# Altium PCB Modified.PcbDoc (part 1 of 3) (continued)
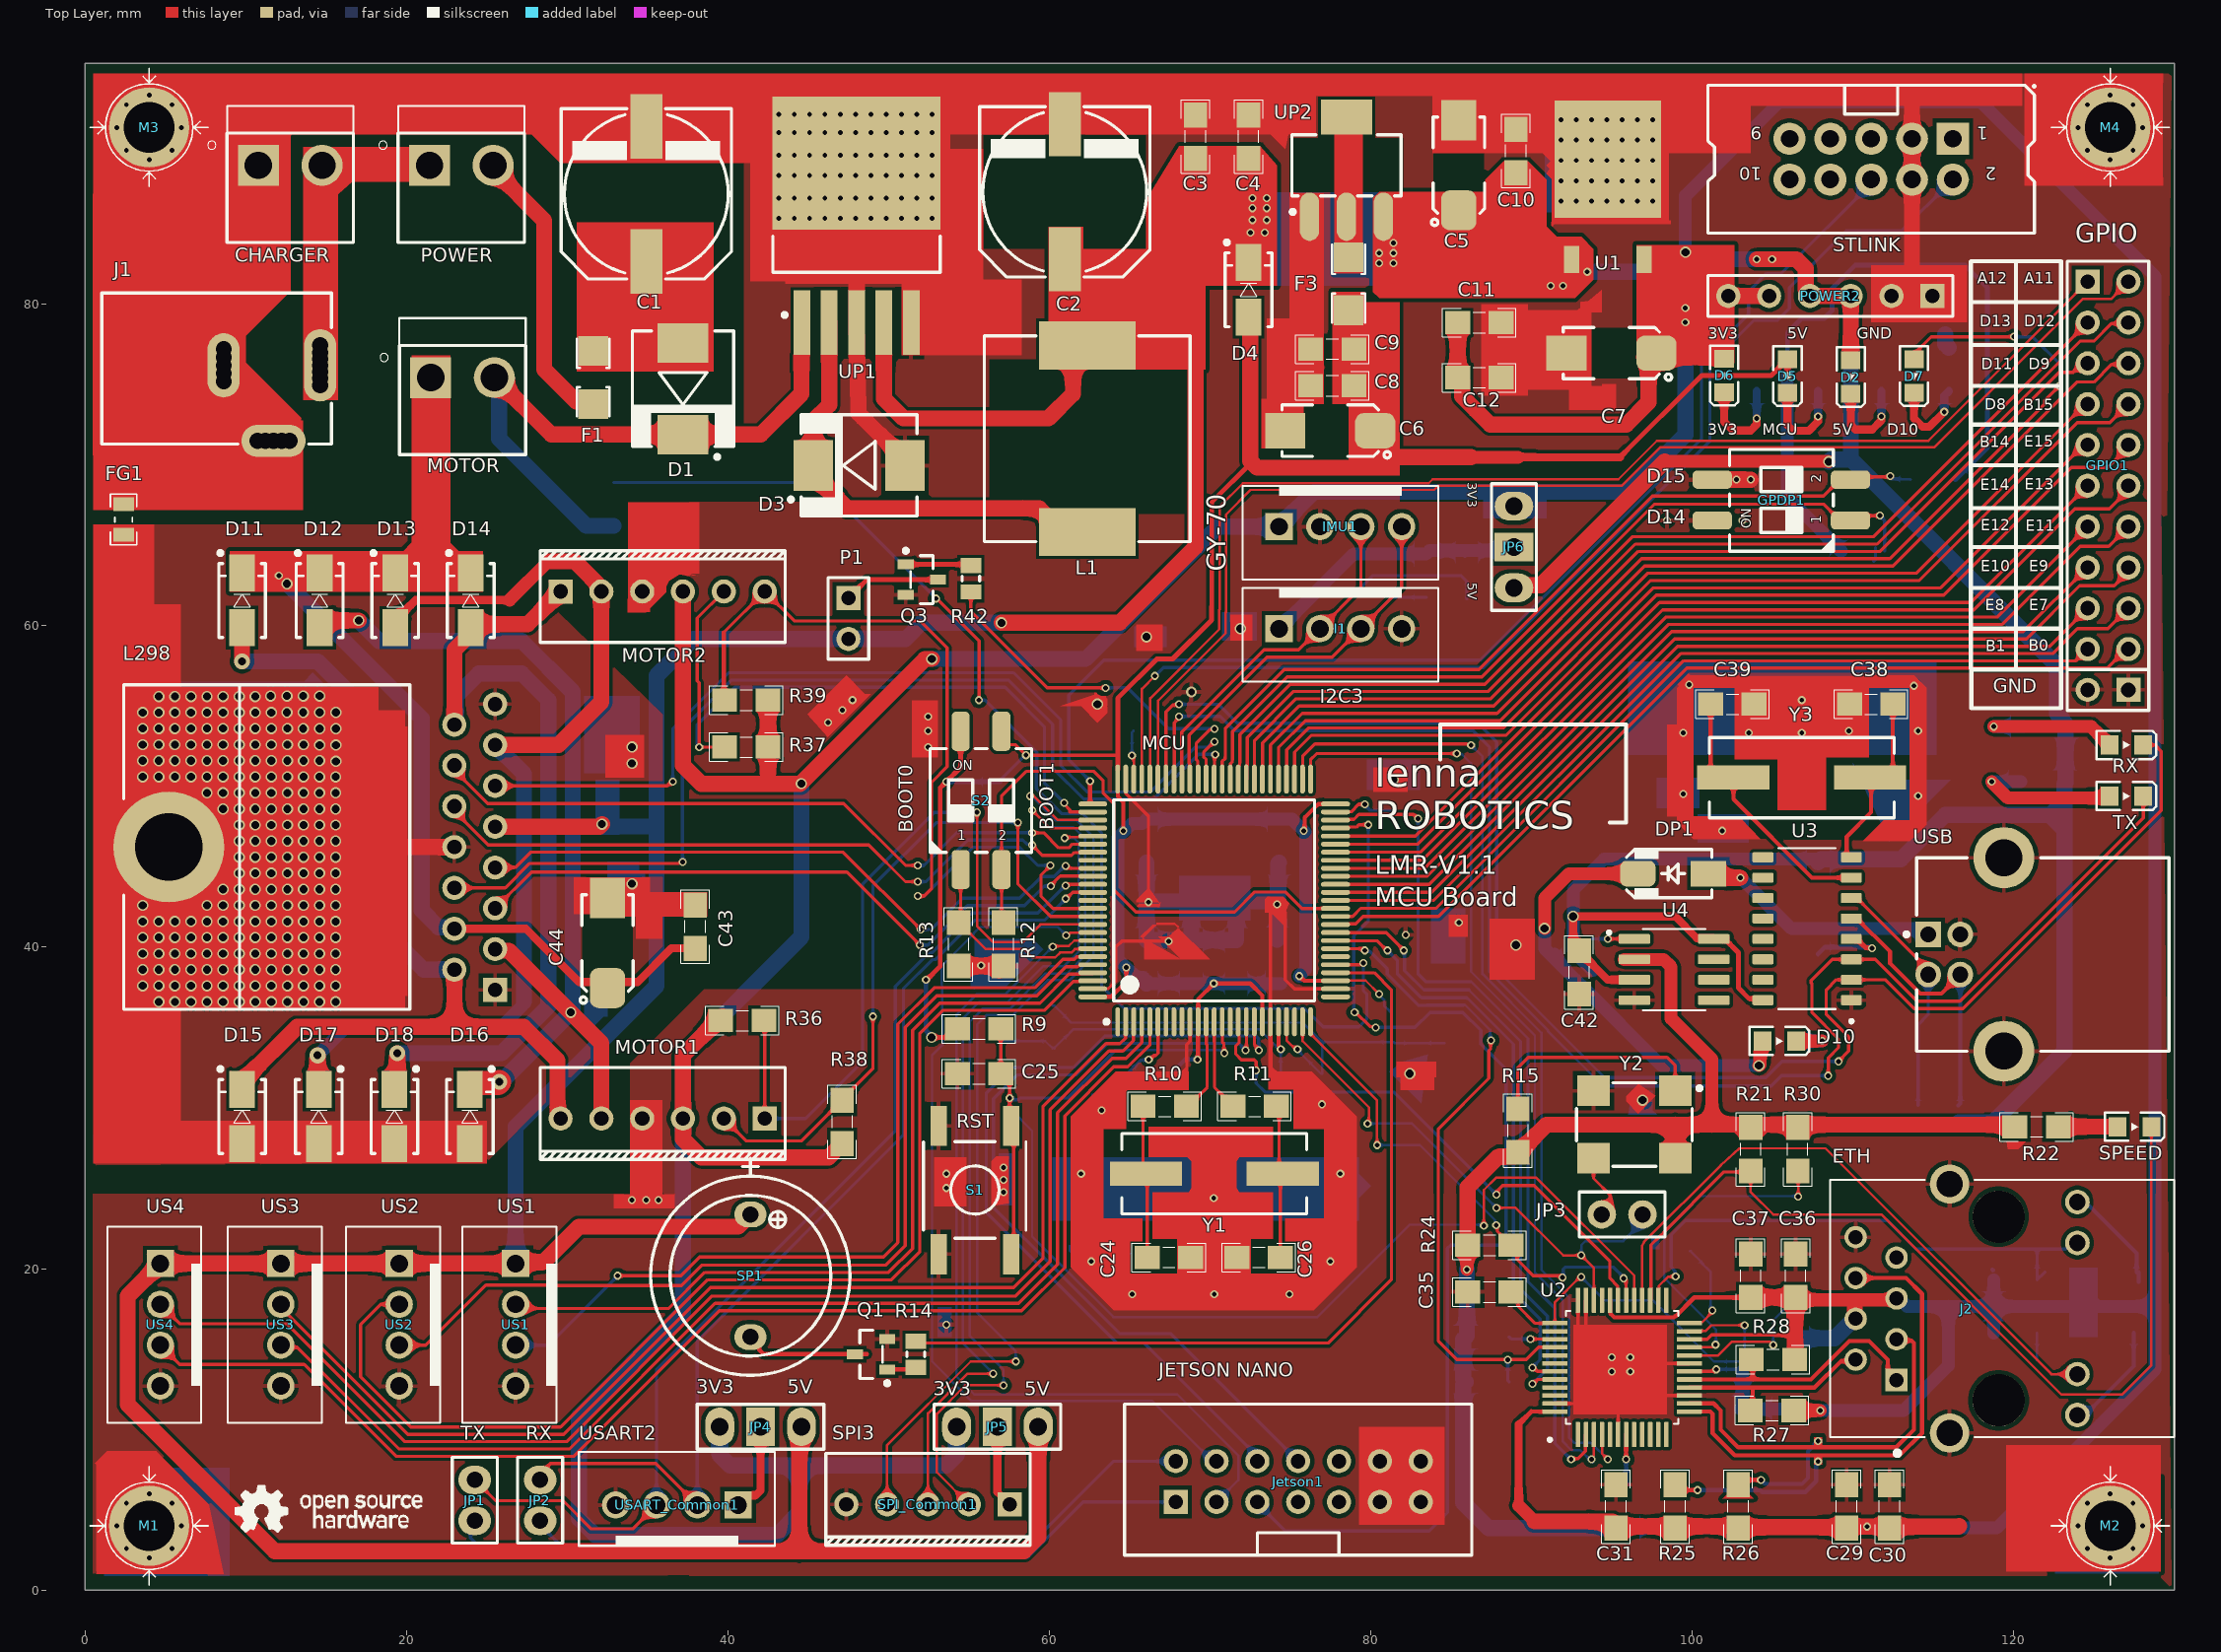
[diagram p0: Top Layer view]
## Components (designator, comment, footprint, x,y, rotation, side; value= is the part's Value field where it differs from the comment) (continued)
POWER "B2P-VH(LF)(SN)" JST_B2P-VH(LF)(SN) 23.42,88.646 r0 top
POWER2 "Header 6" HDR1X6 114.935,80.518 r180 top
Q1 "BC848B" SOT23_L 48.911,14.671 r180 top
Q2 "NTR4101P" SOT23 92.583,39.56 r270 bottom
Q3 "BC848B" SOT23_L 52.07,62.865 r0 top
R1 "1K" RESC3413X04N 111.76,75.946 r270 bottom
R2 "1K" RESC3413X04N 107.823,75.946 r270 bottom
R3 "1K" RESC3413X04N 104.013,75.946 r270 bottom
R4 "0" RESC3413X04N 65.951,31.917 r180 bottom
R5 "47" RESC3413X04N 60.325,35.052 r270 bottom
R6 "1K" RESC3413X04N 115.951,75.946 r270 bottom
R7 "1K" RESC3413X04N 110.617,64.643 r0 bottom
R8 "1K" RESC3413X04N 115.015,69.088 r180 bottom
R9 "1K" RESC3413X04N 55.626,34.925 r180 top
R10 "0" RESC3413X04N 67.183,30.099 r180 top
R11 "220R" RESC3413X04N 72.771,30.099 r0 top
R12 "10K" RESC3413X04N 57.15,40.179 r270 top
R13 "10K" RESC3413X04N 54.356,40.179 r270 top
R14 "10K" RES0805_(2012X06L) 51.689,15.493 r270 top
R15 "10K" RESC3413X04N 89.154,28.587 r270 top
R16 "2.2K" RESC3413X04N 87.249,12.954 r180 bottom
R17 "2.2K" RESC3413X04N 120.095,19.304 r180 bottom
R18 "2.2K" RESC3413X04N 96.012,5.219 r90 bottom
R19 "2.2K" RESC3413X04N 120.095,16.002 r180 bottom
R20 "4.87K" RESC3413X04N 98.505,21.082 r0 bottom
R21 "2.2K" RESC3413X04N 103.632,27.432 r90 top
R22 "220R" RESC3413X04N 121.412,28.829 r180 top
R23 "2.2K" RESC3413X04N 87.249,15.748 r180 bottom
R24 "1.5K" RESC3413X04N 87.376,21.463 r0 top
R25 "49.9R" RESC3413X04N 98.933,5.207 r270 top
R26 "49.9R" RESC3413X04N 102.849,5.207 r90 top
R27 "49.9R" RESC3413X04N 104.949,11.176 r0 top
R28 "49.9R" RESC3413X04N 105.017,14.351 r180 top
R29 "2.2K" RESC3413X04N 106.553,17.018 r90 bottom
R30 "2.2K" RESC3413X04N 106.553,27.432 r270 top
R31 "220R" RESC3413X04N 125.73,16.002 r0 bottom
R32 "220R" RESC3413X04N 125.73,19.304 r0 bottom
R33 "1K" RESC3413X04N 121.793,50.292 r180 bottom
R34 "1K" RESC3413X04N 121.92,53.721 r180 bottom
R35 "1K" RESC3413X04N 105.029,34.163 r0 bottom
R36 "2.2K" RESC3413X04N 40.894,35.433 r0 top
R37 "2.2K" RESC3413X04N 41.148,52.451 r180 top
R38 "2.2K" RESC3413X04N 47.117,29.13 r90 top
R39 "2.2K" RESC3413X04N 41.148,55.372 r180 top
R40 "4.7K" RESC3413X04N 85.979,63.119 r90 bottom
R41 "4.7K" RESC3413X04N 83.439,63.119 r90 bottom
R42 "10K" RES0805_(2012X06L) 55.118,62.104 r90 top
R43 "33K" RESC3413X04N 32.893,67.564 r90 bottom
R44 "10K" RESC3413X04N 36.322,67.564 r270 bottom
RX "LED SMD PACKAGE" LED_SMD_0805 127,52.578 r180 top
S1 "Switch PB" SW-PB 55.372,24.892 r270 top
S2 "SW_DIP_02" SMV_DIP_CTS-219-02 55.753,49.131 r0 top
SP1 "" "BUZZER 7.62mm DC" 41.402,19.558 r270 top locked
SPEED "LED SMD PACKAGE" LED_SMD_0805 127.508,28.829 r180 top
SPI_Common1 "SPI_Dev" "MO-Header 5" 79.502,12.573 r180 top locked
STLINK "CONNECTOR_IDC_5X2" IDC2.54-10PIN 111.125,89.027 r180 top
TX "LED SMD PACKAGE" LED_SMD_0805 127,49.403 r180 top
U1 "LF33CDT" TO228P972X240-3N 94.742,88.875 r0 top
U2 "DP83848IVV/NOPB" LQFP-48 95.631,13.855 r90 top locked
U3 "CH340G" SOIC127P600X180-16N 107.144,41.148 r180 top
U4 "LM358M" SOIC127P599X175-8N 98.863,38.608 r0 top
UP1 "LM2576-ADJ" "LM2576 SMD" 48.006,83.82 r270 top locked
UP2 "3V3" SOT223 78.486,88.646 r90 top locked
US1 "HC_SR04" "XH Connector 4-Pin" 26.797,20.32 r270 top
US2 "HC_SR04" "XH Connector 4-Pin" 19.558,20.32 r270 top
US3 "HC_SR04" "XH Connector 4-Pin" 12.192,20.32 r270 top
US4 "HC_SR04" "XH Connector 4-Pin" 4.699,20.32 r270 top
USART_Common1 "HC_SR04" "XH Connector 4-Pin" 40.64,5.298 r180 top
USB "USB Connector" USB2.5-2H4E 114.67,40.798 r0 top locked
Y1 "25 MHz" "Crystal SMD" 70.26,25.908 r180 top value="12 MHz"
Y2 "50MHz" WE-SPXO_CFPS-72 96.393,28.968 r180 top locked
Y3 "12 MHz" "Crystal SMD" 106.807,50.546 r0 top

## Footprints (in the part's own frame and the unit in brackets; to place one, negate y for a bottom-side part, rotate by r counter-clockwise, add the part's x,y. Pads: shape width x height; smd on the part's side, far side on the other; paste and mask are expansions set on the pad)
430X270D [mm] "SMA Molded Diode, 2-Leads, Body 4.3x2.7mm"
  rect 2.2x1.6 smd: 1(-2.2,0)
  rrect50% 2.2x1.6 smd: 2(2.2,0)
  silkscreen extent -2.4,-1.5 2.9,1.51, body extent -2.75,-1.4 2.75,1.4, height 2.6
"1206 FUSE" [mm] "Fast Acting Smd 1206 non-Resettable Fuse Chip For Pcb Board-Design:Abbas Basereh"
  rect 1.85x1.85 smd: 1(-1.65,0) 2(1.65,0)
  silkscreen extent -2.41,-1.02 2.41,1.02, body extent -1.6,-0.8 1.6,0.8, height 1
"Board Screw 3mm"#1 [mm]
  round 5 hole 3.15 mask+0.102: S(0,0)
  silkscreen extent -3.68,-3.68 3.68,3.68, body extent -2.67,-2.67 2.69,2.69, height 2.34
"Board Screw 3mm"#2 [mm]
  round 5 hole 3.15 mask+0.1: S(0,0)
  silkscreen extent -3.68,-3.68 3.68,3.68, body extent -2.67,-2.67 2.69,2.69, height 2.34
"BUZZER 7.62mm DC" [mm] "BUZZER 12mm DIA , 7.62mm pitch DESIGNER ABBAS BASEREH"
  oval 1.6x2 hole 1: 1(-3.81,0) 2(3.81,0)
  silkscreen extent -7.3,-6.2 6.2,6.2, body extent -6,-6 6,6, height 9.5
C_EL_10_10 [mm] "Electrolytic Cap, 10.3mm, L: 10mm"
  rect 4x2 smd: 1(-4.2,0) 2(4.2,0)
  Top Layer pour cut-out: -3.556,5.08 -3.556,-5.08 3.556,-5.08 3.556,5.08
  silkscreen extent -5.3,-5.3 5.3,5.3, body extent -5.9,-5.25 5.9,5.25, height 10.5
C_TN_6032 [mm] "CAPACITOR, TAN C, TAN F, TAN U, TAN L, 6032P, 6.0X3.2mm"
  rrect50% 2.5x2.2 smd: 1(-2.8,0)
  rect 2.5x2.2 smd: 2(2.8,0)
  Top Layer pour cut-out: -2.032,1.6 2.032,1.6 2.032,-1.6 -2.032,-1.6
  silkscreen extent -3.75,-1.6 3,1.7, body extent -3.15,-1.75 3.15,1.75, height 2.8
CAPC3413X12N [mm] "Chip Capacitor, 2-Leads, Body 3/40x1/30mm, IPC Medium Density-Design:Abbas Basereh"
  rect 1.55x1.45 smd: 1(-1.35,0) 2(1.35,0)
  silkscreen extent -2.29,-0.89 2.29,0.89, body extent -1,-0.62 1,0.63, height 0.78
"Crystal SMD" [mm] "DESIGNER ABBAS BASEREH"
  rect 4.5x1.5 smd: 1(-4.25,0) 2(4.25,0)
  silkscreen extent -5.75,-2.5 5.75,2.5, body extent -6.21,-2.25 6.09,2.25, height 5.18
"DC Power Jack 1" [mm] "Power Adaptor Jack"
  round 1.5 hole 1: 1(0,-2.05) 1(0,-1.6) 1(0,-1.2) 1(0,-0.4) 1(0,0) 1(0,0.45) 2(-6,-1.8) 2(-6,0.2) 2(-6,-1.3) 2(-6,-0.3) 3(-3.9,-5.5) 3(-3.4,-5.5) 3(-2.4,-5.5) 3(-1.9,-5.5)
  oval 2x4.5 hole 1: 1(0,-0.8)
  oval 2x4 hole 1: 2(-6,-0.8)
  oval 4x2 hole 1: 3(-2.9,-5.5)
  silkscreen extent -13.59,-5.7 0.7,3.7, body extent -13.68,-5.74 0.72,3.66, height 11.05
DIOM4629X24N [mm] "Molded Diode, 2-Leads, Body 4/60x2/90mm, IPC Medium Density-Design:Abbas Basereh"
  rect 2.3x1.6 smd: 1(-1.7,0) 2(1.7,0)
  silkscreen extent -2.3,-1.45 3.07,1.47, body extent -2.5,-1.22 2.5,1.48, height 2.2
DO-214AB(SMC) [mm] "Molded Diode, 2-Leads, Body 6/85x5/90mm, IPC Medium Density DESIGNER ABBAS BASEREH"
  rect 2.45x3.15 smd: 1(-2.85,0) 2(2.85,0)
  silkscreen extent -3.6,-3.2 4.37,3.15, body extent -3.77,-3.11 3.77,3.11, height 2.62
FB0805 [mm] "Ferrite Chip Bead SMD 0805-Design:Ali Hafizi"
  rect 0.85x1.3 smd: 1(-0.95,0) 2(0.95,0)
  silkscreen extent -1.57,-0.82 1.58,0.83, body extent -1,-0.63 1,0.62, height 0.85
HANRUN_HR911105A [mm]
  rect 1.398x1.398 hole 0.89: 1(4.45,-6.35)
  round 1.398 hole 0.89: 2(3.18,-8.89) 3(1.91,-6.35) 4(0.64,-8.89) 5(-0.63,-6.35) 6(-1.9,-8.89) 7(-3.17,-6.35) 8(-4.44,-8.89)
  round 1.53 hole 1.02: 9(6.625,4.9) 10(4.085,4.9) 11(-4.085,4.9) 12(-6.625,4.9)
  round 2.445 hole 1.63: 15(7.745,-3.05) 16(-7.745,-3.05)
  round 3.25 hole 3.25 unplated: ""(-5.715,0) ""(5.715,0)
  silkscreen extent -8,-10.48 9.15,10.92, body extent -8.44,-10.32 7.6,10.98, height 13.5
HDR1X2 [mm] "Connector; Header; 2 Position"
  rect 1.5x1.5 hole 0.9: 1(0,0)
  round 1.5 hole 0.9: 2(2.54,0)
  silkscreen extent -1.27,-1.27 3.81,1.27, body extent -1.27,-1.28 3.81,1.26, height 8.79
HDR1X6 [mm] "Connector; Header; 6 Position"
  rect 1.5x1.5 hole 0.9: 1(0,0)
  round 1.5 hole 0.9: 2(2.54,0) 3(5.08,0) 4(7.62,0) 5(10.16,0) 6(12.7,0)
  silkscreen extent -1.27,-1.27 13.97,1.27, body extent -1.26,-1.25 13.98,1.29, height 8.38
HDR2X10 [mm] "Connector; Header; 10x2 Position"
  rect 1.5x1.5 hole 0.9: 1(0,0)
  round 1.5 hole 0.9: 2(0,2.54) 3(2.54,0) 4(2.54,2.54) 5(5.08,0) 6(5.08,2.54) 7(7.62,0) 8(7.62,2.54) 9(10.16,0) 10(10.16,2.54) 11(12.7,0) 12(12.7,2.54) 13(15.24,0) 14(15.24,2.54) 15(17.78,0) 16(17.78,2.54) 17(20.32,0) 18(20.32,2.54) 19(22.86,0) 20(22.86,2.54)
  silkscreen extent -1.27,-1.27 24.13,3.81
IDC2.54-10PIN [mm] "Connector; IDC, Low Profile Male Header, Thru-Hole; 10 Position; Vertical; Pitch 2.54 mm; 20.32 x 9.2 x 9.45 mm (LxWxH) DESIGNER : ABBAS BASEREH"
  rect 2x2 hole 1.1: 1(-5.08,-1.27)
  round 2 hole 1.1: 2(-5.08,1.27) 3(-2.54,-1.27) 4(-2.54,1.27) 5(0,-1.27) 6(0,1.27) 7(2.54,-1.27) 8(2.54,1.27) 9(5.08,-1.27) 10(5.08,1.27)
  silkscreen extent -10.16,-4.6 10.16,4.6, body extent -10.15,-4.25 10.15,4.6, height 9.17
"IDC 7X2" [mm]
  rect 1.5x1.5 hole 0.9: 1(77.343,24.765)
  round 1.5 hole 0.9: 2(77.343,27.305) 3(79.883,24.765) 4(79.883,27.305) 5(82.423,24.765) 6(82.423,27.305) 7(84.963,24.765) 8(84.963,27.305) 9(87.503,24.765) 10(87.503,27.305) 11(90.043,24.765) 12(90.043,27.305) 13(92.583,24.765) 14(92.583,27.305)
  silkscreen extent 74.17,21.46 95.76,30.86, body extent 74.17,21.49 95.76,30.86, height 9.27
JST_B2P-VH(LF)(SN) [mm]
  rect 2.55x2.55 hole 1.7: 1(-1.98,0)
  round 2.55 hole 1.7: 2(1.98,0)
  silkscreen extent -5.13,-4.8 3.93,3.7, body extent -3.85,-4.63 4.01,3.87, height 9.26
"jumper selector" [mm]
  oval 1.8x2.4 hole 1.1: 1(0,0) 3(5.08,0)
  rect 1.8x2.4 hole 1.1: 2(2.54,0)
  silkscreen extent -1.4,-1.4 6.48,1.4, body extent -1.24,-1.27 6.38,1.27, height 10.16
"Jumper Small - 2.54 - GRAY"#1 [mil]
  oval 70x80 hole 40: 1(-50,0) 2(50,0)
  silkscreen extent -105,-55 105,55, body extent -100,-50 100,50, height 337
"Jumper Small - 2.54 - GRAY"#2 [mil]
  round 70 hole 40: 1(-50,0) 2(50,0)
  silkscreen extent -105,-55 105,55, body extent -100,-50 100,50, height 337
L_12 [mm] "INDUCTOR, 13.5x12.5mm, DR125, CDRH127, D128C 931AS"
  rect 3x6 smd: 1(-5.8,0) 2(5.8,0)
  Top Layer pour cut-out: -4.699,6.096 4.953,6.096 4.953,-6.096 -4.699,-6.096
  silkscreen extent -6.4,-6.4 6.4,6.4, body extent -6.16,-6.15 6.16,6.15, height 8.16
LED_SMD_0805 [mm] "SMD Mono-color Chip LED, body 2.0x1.25mm"
  rect 1.1x1.2 smd: 1(-1.05,0) 2(1.05,0)
  silkscreen extent -1.85,-0.88 1.85,0.88, body extent -1,-0.62 1,0.63, height 0.7
"LM2576 SMD" [mm]
  rect 4x1.05 smd: 1(4.962,-3.4) 2(4.962,-1.7) 3(4.962,0) 4(4.962,1.7) 5(4.962,3.4)
  rect 8.3x10.45 smd: 6(-4.963,0)
  silkscreen extent -0.41,-5.2 4.61,5.2, body extent -7.56,-5.2 1.84,5.2, height 4.65
LQFP-48 [mm] "LQFP-48 Package"
  rrect25% 1.56x0.28 smd: 1(-4.18,2.75) 2(-4.18,2.25) 3(-4.18,1.75) 4(-4.18,1.25) 5(-4.18,0.75) 6(-4.18,0.25) 7(-4.18,-0.25) 8(-4.18,-0.75) 9(-4.18,-1.25) 10(-4.18,-1.75) 11(-4.18,-2.25) 12(-4.18,-2.75) 25(4.18,-2.75) 26(4.18,-2.25) 27(4.18,-1.75) 28(4.18,-1.25) 29(4.18,-0.75) 30(4.18,-0.25) 31(4.18,0.25) 32(4.18,0.75) 33(4.18,1.25) 34(4.18,1.75) 35(4.18,2.25) 36(4.18,2.75)
  rrect25% 0.28x1.56 smd: 13(-2.75,-4.18) 14(-2.25,-4.18) 15(-1.75,-4.18) 16(-1.25,-4.18) 17(-0.75,-4.18) 18(-0.25,-4.18) 19(0.25,-4.18) 20(0.75,-4.18) 21(1.25,-4.18) 22(1.75,-4.18) 23(2.25,-4.18) 24(2.75,-4.18) 37(2.75,4.18) 38(2.25,4.18) 39(1.75,4.18) 40(1.25,4.18) 41(0.75,4.18) 42(0.25,4.18) 43(-0.25,4.18) 44(-0.75,4.18) 45(-1.25,4.18) 46(-1.75,4.18) 47(-2.25,4.18) 48(-2.75,4.18)
  silkscreen extent -4.6,-3.5 3.5,4.6, body extent -4.5,-4.5 4.5,4.5, height 1.6
"MO-Header 5" [mm]
  rect 1.5x1.5 hole 0.9: 1(21.971,7.239)
  round 1.5 hole 0.9: 2(24.511,7.239) 3(27.051,7.239) 4(29.591,7.239) 5(32.131,7.239)
  silkscreen extent 20.7,4.06 33.4,9.78, body extent 20.7,4.04 33.4,9.84, height 11.51
"MO-Header 6" [mm]
  rect 1.5x1.5 hole 0.9: 1(23.876,12.065)
  round 1.5 hole 0.9: 2(26.416,12.065) 3(28.956,12.065) 4(31.496,12.065) 5(34.036,12.065) 6(36.576,12.065)
  silkscreen extent 22.61,8.89 37.85,14.61, body extent 22.61,8.87 37.85,14.67, height 11.51
Multiwatt15H [mm] "TO, Thru-Hole, Horizontal, Heatsink Mounted; 15 Bent Staggered Leads; Pitch 1.27 mm"
  rect 1.5x1.5 hole 0.9: 1(-8.89,-10.155)
  round 1.5 hole 0.9: 2(-7.62,-7.615) 3(-6.35,-10.155) 4(-5.08,-7.615) 5(-3.81,-10.155) 6(-2.54,-7.615) 7(-1.27,-10.155) 8(0,-7.615) 9(1.27,-10.155) 10(2.54,-7.615) 11(3.81,-10.155) 12(5.08,-7.615) 13(6.35,-10.155) 14(7.62,-7.615) 15(8.89,-10.155)
  round 6.9 hole 4.2: 16(0,10.155)
  silkscreen extent -10.1,-4.84 10.1,12.96, body extent -9.8,-10.42 9.8,13.18, height 5
RES0805_(2012X06L) [mm] "Chip Resistor, 2-Leads, Body 2.0x1.3mm, IPC High Density _ (0.100 W)"
  rect 0.95x1.3 smd: 1(0,0) 2(1.65,0)
  silkscreen extent 0.67,-0.55 0.97,0.55, body extent -0.19,-0.63 1.84,0.64, height 0.6
RESC3413X04N [mm] "Chip Resistor, 2-Leads, Body 3/40x1/30mm, IPC Medium Density-Design:Abbas Basereh"
  rect 1.55x1.45 smd: 1(-1.35,0) 2(1.35,0)
  silkscreen extent -2.29,-0.89 2.29,0.89, body extent -1.25,-0.62 1.25,0.62, height 0.79
SMV_DIP_CTS-219-02 [mm]
  rrect50% 1.13x2.44 smd: 1(-1.27,-4.3) 2(1.27,-4.3) 3(1.27,4.3) 4(-1.27,4.3)
  silkscreen extent -3.18,-3.23 3.15,3.23
SOIC127P599X175-8N [mm]
  rrect25% 1.97x0.6 smd: 1(-2.47,1.905) 2(-2.47,0.635) 3(-2.47,-0.635) 4(-2.47,-1.905) 5(2.47,-1.905) 6(2.47,-0.635) 7(2.47,0.635) 8(2.47,1.905)
  silkscreen extent -4.14,-2.52 1.95,2.52, body extent -3,-2.45 3,2.45, height 1.75
SOIC127P600X180-16N [mm]
  rrect25% 1.31x0.62 smd: 1(-2.75,4.445) 2(-2.75,3.175) 3(-2.75,1.905) 4(-2.75,0.635) 5(-2.75,-0.635) 6(-2.75,-1.905) 7(-2.75,-3.175) 8(-2.75,-4.445) 9(2.75,-4.445) 10(2.75,-3.175) 11(2.75,-1.905) 12(2.75,-0.635) 13(2.75,0.635) 14(2.75,1.905) 15(2.75,3.175) 16(2.75,4.445)
  silkscreen extent -2.85,-5 1.78,5.85, body extent -3,-5 3,5, height 1.8
SOT23 [mil]
  rect 31x35 smd: 1(-37.5,-45) 2(37.5,-45) 3(0,45)
  silkscreen extent -55,-15 55,15, body extent -59,-49 55,49, height 43
SOT23_L [mm] "SOT23, 3-Leads, Body 2.9x1.3mm, Pitch 0.95mm, Lead Span 2.3mm, IPC High Density"
  rect 1x0.6 smd: 1(-1,0.95) 2(-1,-0.95) 3(1,0)
  silkscreen extent -1.13,-1.5 0.7,1.92, body extent -1.27,-1.5 1.27,1.5, height 1.1
SOT95P280X145-6N [mm]
  rect 1.15x0.6 smd: 1(-1.25,0.95) 2(-1.25,0) 3(-1.25,-0.95) 4(1.25,-0.95) 5(1.25,0) 6(1.25,0.95)
  silkscreen extent -1.83,-1.48 0.33,1.6, body extent -1.4,-1.45 1.4,1.45, height 1.45
SOT223 [mm] "SOT223, 4-Leads, Body 6.5x3.5mm, Pitch 2.30mm-Designer Abbas Basereh"
  oval 3x1.2 smd: 1(-3.2,2.3) 2(-3.2,0) 3(-3.2,-2.3)
  rect 2.2x3.2 smd: 4(3,0)
  Top Layer pour cut-out: -1.7,3.556 1.7,3.556 1.7,-3.556 -1.7,-3.556
  silkscreen extent -3.02,-3.4 1.9,3.47, body extent -3.5,-3.25 3.5,3.25, height 1.7
STM-LQFP100_N [mm] "Thin QFP, 100-Leads, Body 14x14mm, Pitch 0.5mm, IPC Medium Density"
  oval 1.8x0.3 smd: 1(-7.55,6) 2(-7.55,5.5) 3(-7.55,5) 4(-7.55,4.5) 5(-7.55,4) 6(-7.55,3.5) 7(-7.55,3) 8(-7.55,2.5) 9(-7.55,2) 10(-7.55,1.5) 11(-7.55,1) 12(-7.55,0.5) 13(-7.55,0) 14(-7.55,-0.5) 15(-7.55,-1) 16(-7.55,-1.5) 17(-7.55,-2) 18(-7.55,-2.5) 19(-7.55,-3) 20(-7.55,-3.5) 21(-7.55,-4) 22(-7.55,-4.5) 23(-7.55,-5) 24(-7.55,-5.5) 25(-7.55,-6) 51(7.55,-6) 52(7.55,-5.5) 53(7.55,-5) 54(7.55,-4.5) 55(7.55,-4) 56(7.55,-3.5) 57(7.55,-3) 58(7.55,-2.5) 59(7.55,-2) 60(7.55,-1.5) 61(7.55,-1) 62(7.55,-0.5) 63(7.55,0) 64(7.55,0.5) 65(7.55,1) 66(7.55,1.5) 67(7.55,2) 68(7.55,2.5) 69(7.55,3) 70(7.55,3.5) 71(7.55,4) 72(7.55,4.5) 73(7.55,5) 74(7.55,5.5) 75(7.55,6)
  oval 0.3x1.8 smd: 26(-6,-7.55) 27(-5.5,-7.55) 28(-5,-7.55) 29(-4.5,-7.55) 30(-4,-7.55) 31(-3.5,-7.55) 32(-3,-7.55) 33(-2.5,-7.55) 34(-2,-7.55) 35(-1.5,-7.55) 36(-1,-7.55) 37(-0.5,-7.55) 38(0,-7.55) 39(0.5,-7.55) 40(1,-7.55) 41(1.5,-7.55) 42(2,-7.55) 43(2.5,-7.55) 44(3,-7.55) 45(3.5,-7.55) 46(4,-7.55) 47(4.5,-7.55) 48(5,-7.55) 49(5.5,-7.55) 50(6,-7.55) 76(6,7.55) 77(5.5,7.55) 78(5,7.55) 79(4.5,7.55) 80(4,7.55) 81(3.5,7.55) 82(3,7.55) 83(2.5,7.55) 84(2,7.55) 85(1.5,7.55) 86(1,7.55) 87(0.5,7.55) 88(0,7.55) 89(-0.5,7.55) 90(-1,7.55) 91(-1.5,7.55) 92(-2,7.55) 93(-2.5,7.55) 94(-3,7.55) 95(-3.5,7.55) 96(-4,7.55) 97(-4.5,7.55) 98(-5,7.55) 99(-5.5,7.55) 100(-6,7.55)
  silkscreen extent -7.67,-6.25 6.25,6.82, body extent -7,-7 7,7, height 1.6
SW-PB [mm]
  rect 2.5x1 smd: 1(-3.992,2.25) 1(3.992,2.25) 2(-3.992,-2.25) 2(3.992,-2.25)
  silkscreen extent -3,-3.2 3,3.18, body extent -4.5,-3 4.5,3, height 5
TO228P972X240-3N [mil]
  rect 37x67 smd: 1(-89,-240) 3(89,-240)
  rect 260x288 smd: 2(0,6)
  body extent -128,-246 128,136, height 94
USB2.5-2H4E [mm] "Connector; USB1.1, Type B, Thru-Hole; 4 Position; Right Angle"
  rect 1.6x1.6 hole 1: 1(0,0)
  round 1.6 hole 1: 2(0,-2.5) 3(2,-2.5) 4(2,0)
  round 3.8 hole 2.3: 4(4.71,-7.27) 4(4.71,4.77)
  silkscreen extent -1.47,-7.27 14.99,4.77, body extent -1.5,-8.7 15,6.2, height 10.95
WE-SPXO_CFPS-72 [mm] "Simple Packaged Quartz Oscillator, body 7.2x5.2mm"
  rect 2.032x1.905 smd: 1(-2.54,-2.1) 2(2.54,-2.1) 3(2.54,2.1) 4(-2.54,2.1)
  silkscreen extent -4.18,-2.6 3.6,2.6, body extent -3.6,-2.6 3.6,2.6, height 1.35
"XH Connector 4-Pin" [mm] "XH Connector 4-Pin"
  rect 1.7x1.7 hole 1.1: 1(0,0)
  round 1.7 hole 1.1: 2(2.54,0) 3(5.08,0) 4(7.62,0)
  silkscreen extent -2.29,-3.3 9.91,2.54, body extent -2.28,-3.3 9.9,2.54, height 7.21

## Part data
C1 C2: library part CAP_SMD_EL, "CAP, THD, ELEC,", ASSEMBLY=ASSEMBLY, DESC=DESCRIPTION, DIST#=MOUSER, MANF=MANF, MANF_P#=MANF_PART#, PARAM=25V, PARAM2=20%, PRICE="10= 5$"
C3 C4 C8 C9 C10 C11 C12 C14 C15 C16 C17 C18 C19 C22 C23 C24 C25 C26 C27 C28 C29 C30 C31 C33 C34 C35 C36 C37 C38 C39 C40 C41 C42 C43 C45: library part "CAP SMD 0805", "CAP 0805", Data=16-12-2016, Desc.="CAP SMD 0805", Designer="Abbas Basereh"
C5 C6 C7 C13 C20 C21 C32 C44: library part CAP_SMD_TAN, "CAP, SMD, TAN,", PARAM=25V
CHARGER MOTOR: library part B2P-VH(LF)(SN), "Connector Header Through Hole 2 position 0.156 (3.96mm)", Package=None, Availability="In Stock", Check_prices=https://www.snapeda.com/parts/B2P-VH(LF)(SN)/JST+Sales+America+Inc./view-part/?ref=eda, MF="JST Sales", MP=B2P-VH(LF)(SN), PRICE=None, Purchase-URL=https://pricing.snapeda.com/search/part/B2P-VH(LF)(SN)/?ref=eda, SnapEDA_Link=https://www.snapeda.com/parts/B2P-VH(LF)(SN)/JST+Sales+America+Inc./view-part/?ref=snap
D1 D3: library part "1N5822 SMD", "Schottky Rectifiers", Manufacturer="ON Semiconductor/Fairchild", Data=16-12-2016, Designer="Abbas Basereh", Link=https://www.aliexpress.com/item/Free-shipping-100pcs-1n5822-sma-smd-do-214ac-Schottky-diode-ss34/32337482329.html?spm=2114.01010208.3.1.zLZDsP&ws_ab_test=searchweb0_0,searchweb201602_4_10065_10068_10084_10083_10080_10082_10081_10060_10061_10062_10056_10055_10054_10059_10099_10078_10079_427_10073_10103_10102_10096_10052_10050_10051,searchweb201603_4&btsid=6e50dc92-ac69-45bc-a19e-209af19ce602, Part. No=SS34
D2 D5 D6 D7 D10 RX SPEED TX: "SMD Mono-color Chip LED Waterclear", Forward Voltage="3.2 V", Part Number=150080BS75000, Peak Wavelength="465 nm", Published Date="Jan 2017", Publisher="Ali Hafizi"
D4 D11 D12 D13 D14 D15 D16 D17 D18: library part "1n4007 SMD M7", "Standard Rectifiers", Manufacturer="DC COMPONENTS", Data=16-12-2016, Designer="Abbas Basereh", Link=http://www.tme.eu/en/details/m7/smd-universal-diodes/dc-components/, Part. No=M7
D9: "17.5V Clamp 12A (8/20Âµs) Ipp Tvs Diode Surface Mount SOT-23-6", Package="SOT-23 Semtech", Availability="In Stock", Check_prices=https://www.snapeda.com/parts/SRV05-4.TCT/Semtech+Corporation/view-part/?ref=eda, MF=Semtech, MP=SRV05-4.TCT, PRICE=None, SnapEDA_Link=https://www.snapeda.com/parts/SRV05-4.TCT/Semtech+Corporation/view-part/?ref=snap
DP1: "Schottkey Rectifiers", Data=16-12-2016, Designer="Abbas Basereh"
F1 F3: library part "Fuse SMD1206", "SMD Fuses 1206", Data=16-12-2016, Desc.="SMD Fuses 1206", Designer="Abbas Basereh"
F2 FG1: library part "Ferrite Bead SMD Package", Designer="Ali Hafizi"
GND P1: "Header, 2-Pin", LatestRevisionDate=17-Jul-2002, LatestRevisionNote="Re-released for DXP Platform.", Publisher="Altium Limited"
GPIO1: "Header, 10-Pin, Dual row", LatestRevisionDate=17-Jul-2002, LatestRevisionNote="Re-released for DXP Platform.", Publisher="Altium Limited"
I1 IMU1 US1 US2 US3 US4 USART_Common1: library part "Header 4 PIN Telecom.", "Header, 4-Pin Telecom.", Data=16-12-2016, Designer="Abbas Basereh"
J1: "DC Power Jack. Center Pin 2.5mm. Diameter: 5.7mm", Adding Date=10/21/2009, Company=Personal, Designer="Ali Hafizi", Project Name=Laser
J2: "DIP RJ45 Connector;", Package=None, Availability="Not in stock", Check_prices=https://www.snapeda.com/parts/HR911105A/HanRun/view-part/?ref=eda, MF=hanrun, MP=HR911105A, PRICE=None, SnapEDA_Link=https://www.snapeda.com/parts/HR911105A/HanRun/view-part/?ref=snap
JP4 JP5 JP6: library part "Jumper Selector", "Jumper Selector"
L1: library part INDPWR_SMD, "INDUCTOR, POWER, SMD"
L298: "Dual Full Bridge Driver", Package Information="Latest Revision: Apr-1998", Package Reference=Multiwatt15H, Datasheet="Latest Revision: Jul-1999", Published=8-Jun-2000, Publisher="Altium Limited", Revision 1="24-Aug-2001: Footprint Added.", Revision 2="17-Jul-2002: Re-released for DXP Platform."
M1 M2 M3 M4: library part "Board Screw 3MM", "Board Screw With Spacer"
MCU: "ARM Cortex-M4 32-bit MCU+FPU, 210 DMIPS, 1024 kB Flash, 192 kB Internal RAM, 82 I/Os, 100-pin LQFP, -40 to 85 degC, Tray", I/Os (High Current)=82, Manufacturer=STMicroelectronics, Operating Frequency(F) (Processor speed) (MHz)=168, Supplier Part Number 1=497-11605-ND, Supply Voltage(Vcc) max (V)=3.6, Supply Voltage(Vcc) min (V)=1.8, ComponentLink1Description="Manufacturer URL", ComponentLink1URL=http://www.st.com/web/en/home.html, ComponentLink2Description=Datasheet, ComponentLink2URL=http://www.st.com/st-web-ui/static/active/en/resource/technical/document/datasheet/DM00037051.pdf, ComponentLink3Description="Package Specification", ComponentLink3URL=http://www.st.com/st-web-ui/static/active/en/resource/technical/document/data_brief/DM00071938.pdf, Core="ARM Cortex-M4", D/A Converter=2x12-bit, DatasheetVersion="Rev. 4", FLASH Size (Prog) (kB)=1024, Internal RAM Size (kB)=192, Mounting Technology="Surface Mount", PackageDescription="100-Pin Low Profile Quad Flat Package, 14 x 14 mm Body, 0.5 mm Pitch", PackageReference=LQFP100, PackageVersion="Rev. 1, 06/2013", Packing=Tray, PartNumber=STM32F407VGT6, Supplier 1=Digi-Key, Supplier 2=Farnell, Supplier 3=Newark, Supplier 4=Mouser, Supplier Part Number 2=2064368, Supplier Part Number 3=73T2333, Supplier Part Number 4=511-STM32F407VGT6
MOTOR1 MOTOR2: library part "Header 6", "Header, 6-Pin", LatestRevisionDate=17-Jul-2002, LatestRevisionNote="Re-released for DXP Platform.", Publisher="Altium Limited"
POWER: "Connector Header Through Hole 2 position 0.156 (3.96mm)", Package=None, Availability="In Stock", Check_prices=https://www.snapeda.com/parts/B2P-VH(LF)(SN)/JST+Sales+America+Inc./view-part/?ref=eda, MF="JST Sales", MP=B2P-VH(LF)(SN), PRICE=None, Purchase-URL=https://pricing.snapeda.com/search/part/B2P-VH(LF)(SN)/?ref=eda, SnapEDA_Link=https://www.snapeda.com/parts/B2P-VH(LF)(SN)/JST+Sales+America+Inc./view-part/?ref=snap
POWER2: "Header, 6-Pin", LatestRevisionDate=17-Jul-2002, LatestRevisionNote="Re-released for DXP Platform.", Publisher="Altium Limited"
Q1 Q3: "NPN General-purpose Transistor", ComponentLink1Description="Manufacturer Link", ComponentLink1URL=http://www.semiconductors.philips.com/, ComponentLink2Description=Datasheet, ComponentLink2URL=http://www.semiconductors.philips.com/acrobat/datasheets/BC846_BC847_BC848_5.pdf, DatasheetVersion=4-Feb-2002, LatestRevisionDate=12-Dec-2006, LatestRevisionNote="IPC-7351 Footprint Added.", PackageDescription="3-Pin SOT-23 Package 0.95 mm Pitch, 2.3 mm Lead Span", PackageReference=SOT23, PackageVersion=2017-1-6, Published=2017-1-6, Publisher="Abbas Basereh"
Q2: "P-Channel 20V 1.8A _Ta_ 420mW _Ta_ Surface Mount SOT-23-3 _TO-236_", Package="SOT-23 ON Semiconductor", Availability=Unavailable, MF="ON Semiconductor", MP=NTR4101P, PRICE=None, SnapEDA_Link=https://www.snapeda.com/parts/NTR4101P/ON%20Semiconductor/view-part/4001076/?ref=snap
R1 R2 R3 R4 R5 R6 R7 R8 R9 R10 R11 R12 R13 R15 R16 R17 R18 R19 R20 R21 R22 R23 R24 R25 R26 R27 R28 R29 R30 R31 R32 R33 R34 R35 R36 R37 R38 R39 R40 R41 R43 R44: library part "RES 0805 0.125W", "RES 0805", Data=16-12-2016, Desc.="RES SMD 0805", Designer="Abbas Basereh"
R14 R42: library part "RES SMD PACKAGE", "TOTAL SMD RESISTOR PACK", Data=2017-3-10, Desc.="RES SMD PAKAGES", Designer="Abbas Basereh"
S1: "Push Button Switch"
SP1: library part "PIEZO BUZZER", "PIEZO BUZZER ACTIVE", Comment_1="SPEAKER AND BEEP", ComponentLink2Description=Reference, Design Date=1395/11/14, Designer="Abbas Basereh", Mounting Technology=THD, PackageDescription=THD, Pin Count=2, Publisher="Abbas Basereh", Status=Unreleased
SPI_Common1: library part "Header 5", "Header, 5-Pin", LatestRevisionDate=17-Jul-2002, LatestRevisionNote="Re-released for DXP Platform.", Publisher="Altium Limited"
STLINK: library part "IDC 5X2", "IDC, 5-Pin, Dual row", Manufacturer=CHINA, Max Current=mA, Category=Connector, ComponentLink1Description=Datasheet, ComponentLink2Description=Reference, Connector type="IDC5X2  PROGPIN", Designer="ABBAS BASEREH", LatestRevisionDate=1395-11-17, Mounting Technology=Through-Hole, Pin Count=10, Publisher="ABBAS BASEREH", Status=Unreleased, Update=2017-2-4
U1: "Linear Voltage Regulator IC Positive Fixed 1 Output 500mA DPAK", Package="TO-252 STMicroelectronics", Availability="In Stock", Check_prices=https://www.snapeda.com/parts/LF33CDT/STMicroelectronics/view-part/?ref=eda, MF=STMicroelectronics, MP=LF33CDT, PRICE=None, Purchase-URL=https://pricing.snapeda.com/search/part/LF33CDT/?ref=eda, SnapEDA_Link=https://www.snapeda.com/parts/LF33CDT/STMicroelectronics/view-part/?ref=snap
U2: "Industrial temperature, 10/100-Mbps Ethernet PHY transceiver with SNI & JTAG support 48-LQFP -40 to 85", Package="LQFP-48 Texas Instruments", Arrow_Electronics-Purchase-URL=https://snapeda.com/shop?store=Arrow+Electronics&id=45764, Availability=Good, DigiKey-Purchase-URL=https://snapeda.com/shop?store=DigiKey&id=45764, MF="Texas Instruments", Mouser-Purchase-URL=https://snapeda.com/shop?store=Mouser&id=45764, MP=DP83848IVV/NOPB, PRICE=None, SnapEDA_Link=https://www.snapeda.com/parts/DP83848IVV/NOPB/Texas%20Instruments/view-part/45764/?ref=snap, Texas_Instruments-Purchase-URL=https://snapeda.com/shop?store=Texas+Instruments&id=45764
U3: "USB Interface Integrated Circuit", Package=None, Availability="Not in stock", Check_prices=https://www.snapeda.com/parts/Ch340G/WCH/view-part/?ref=eda, MF=WCH, MP=Ch340G, PRICE=None, SnapEDA_Link=https://www.snapeda.com/parts/Ch340G/WCH/view-part/?ref=snap
U4: "2-Channel, 1MHz, industry standard, 32V op amp 8-SOIC 0 to 70", Package="SOIC-8 Texas Instruments", Availability="In Stock", Check_prices=https://www.snapeda.com/parts/LM358M/Texas+Instruments/view-part/?ref=eda, MF="Texas Instruments", MP=LM358M, PRICE=None, Purchase-URL=https://pricing.snapeda.com/search/part/LM358M/?ref=eda, SnapEDA_Link=https://www.snapeda.com/parts/LM358M/Texas+Instruments/view-part/?ref=snap
UP1: library part LM2576-Adj, "1.2-50V, 3A variable output step-down switching voltage regulator", Data=16-12-2016, Designer="Abbas Basereh"
UP2: library part AMS1117-x.x, "x.x Volt, 800mA Low-Dropout Linear Regulator, 4-pin SOT-223", Data=16-12-2016, Designer="Ali Hafizi"
USB: library part "USB B-Type", "USB Connector-B Type", Adding Date=10/26/2010
Y1 Y3: library part XTAL, "XTAL Crystal", ComponentLink1Description=Datasheet, ComponentLink2Description=Reference, Design Date=2017-1-3, Designer="ABBAS BASEREH", Mounting Technology="Surface Mount\Through-Hole", Status=Unreleased
Y2: library part 831009443, "WE-SPXO Simple Packaged Quartz Oscillator, SMT, CFPS-72, 80MHz, 5V", Frequency=80MHz, Frequency Stability=+/-50ppm, Manufacturer="Wurth Elektronik", Operating Temperature="0 to +70degC", Supply Voltage=5V, ComponentLink1Description=Manufacturer, ComponentLink1URL=http://www.we-online.de, ComponentLink2Description=Datasheet, ComponentLink2URL=https://katalog.we-online.com/pbs/datasheet/831009443.pdf, Manufacturer Part Number=831009443, Mounting Technology=SMT, Packaging="Tape and Reel", Published Date="July 2020", Size=CFPS-72
JP1 JP2 JP3: Company=E.P.I.L, Defualt State=Close, Design Date=2011/11/02

## Via types
v1: diameter 0.7, hole 0.5, Top Layer to Bottom Layer, 217 vias
v2: diameter 0.5, hole 0.3, Top Layer to Bottom Layer, tented both sides, 183 vias
v3: diameter 0.5, hole 0.3, Top Layer to Bottom Layer, 139 vias
v4: diameter 0.7, hole 0.5, Top Layer to Bottom Layer, tented both sides, 19 vias
v5: diameter 1, hole 0.5, Top Layer to Bottom Layer, 4 vias
v6: diameter 0.7, hole 0.5, Top Layer to Bottom Layer, tented bottom, 3 vias
v7: diameter 0.7, hole 0.4, Top Layer to Bottom Layer, tented both sides, 1 vias

## Nets (pads, with @x,y where several pads share a name; then routed paths per layer and width w, separated by ;. In a path a pad name is that pad's centre, name@x,y a point inside that pad or via, vN(x,y) a via of type N, cw(c..) or ccw(c..) an arc to the next point about the centre after c; other vN are vias at no path point)
+3.3V: C7.1 C11.2 C12.2 C29.2 C30.2 C31.2 C36.2 C37.2 D6.2 IMU1.1 J2.4 J2.5 JP4.1 JP5.1 JP6.1 MOTOR1.3 MOTOR2.4 POWER2.5 POWER2.6 R15.2 R16.2 R17.2 R18.1 R19.2 R21.2 R22.2 R23.2 R24.1 R25.2 R26.1 R27.2 R28.1 R29.1 R30.1 R31.1 R32.1 R36.1 R37.1 R38.1 R39.1 U1.3 U2.22 U2.32 U2.48 U4.2 Y2.4 | length 569.9
  Top Layer w0.2: U2.22@99.811,15.605 100.921,15.605 101.191,15.875 106.396,15.875
  Top Layer w0.254: 89.972,11.105 U2.48@91.451,11.105 ; U2.32@94.868,18.688 94.868,18.048 94.894,18.022 94.894,17.202 95.138,16.958 98.844,16.958 98.928,17.042 98.957,17.042 100.123,18.208 C37.2@103.632,18.208 ; 106.38,15.605 106.396,15.621
  Top Layer w0.3: 89.189,10.322 89.972,11.105
  Top Layer w0.5: 89.189,5.268 89.189,10.322 ; R28.1@106.367,14.351 106.396,14.38 R28.1@106.621,14.605
  Top Layer w0.8: v2(85.979,19.939) R24.1@85.979,21.416 ; 89.189,5.268 90.186,4.271 ; U4.2@95.758,39.243 U4.2@96.393,39.243 98.21,39.243 98.679,38.774 98.679,35.56 101.219,33.02 101.219,28.956 ; R27.2@106.299,11.176 v2(107.95,11.176) ; C36.2@106.426,18.208 106.576,18.058 112.613,18.058 J2.5@112.702,18.147
  Top Layer w1: MOTOR2.4@37.211,62.131 37.211,51.308 38.354,50.165 42.672,50.165 ; R36.1@39.544,35.433 R36.1@39.594,35.433 ; R36.1@39.671,35.687 39.621,35.687 37.211,33.277 37.211,28.067 38.354,26.924 46.261,26.924 46.842,27.505 46.892,27.505 47.117,27.73 R38.1@47.117,27.78 ; R39.1@42.498,55.261 R37.1@42.498,52.451 42.498,50.339 42.672,50.165 ; v6(52.69,57.928) 52.255,57.928 44.492,50.165 42.672,50.165 ; C11.2@85.402,78.858 C12.2@85.402,75.438 85.452,75.438 85.677,75.213 85.677,74.275 86.517,73.436 87.435,72.517 95.885,72.517 97.274,73.906 97.274,76.827 C7.1@97.409,76.962 ; R24.1@86.026,21.463 86.026,25.066 87.922,26.962 88.929,26.962 89.154,27.187 R15.2@89.154,27.237 89.154,27.287 89.379,27.512 89.479,27.512 90.923,28.956 98.933,28.956 ; 90.186,4.271 95.025,4.271 C31.2@95.025,3.972 ; C31.2@95.02,3.972 R25.2@98.933,3.972 ; C7.1@97.003,76.708 D6.2@101.981,76.708 ; Y2.4@98.933,26.868 98.933,28.956 ; R25.2@98.957,3.973 102.719,3.973 R26.1@102.743,3.996 ; D6.2@101.981,76.615 D6.2@101.981,76.708 ; POWER2.6@102.235,80.264 101.981,80.264 D6.2@101.981,76.708 ; POWER2.6@102.235,80.518 POWER2.5@104.775,80.518 ; R26.1@102.849,3.972 102.907,3.914 109.544,3.914 C29.2@109.601,3.857 109.693,3.949 v2(110.871,3.949) 116.551,3.949 116.586,3.984 ; R26.1@102.87,3.984 R26.1@102.87,4.034 ; R21.2@103.407,28.549 103.228,28.549 102.821,28.956 101.219,28.956 98.933,28.956 ; C37.2@103.632,18.208 106.367,18.208 C36.2@106.396,18.178 ; R21.2@103.857,28.549 104.036,28.549 104.443,28.956 R30.1@105.921,28.956 ; R28.1@106.396,14.38 106.396,15.621 106.396,15.875 C36.2@106.396,18.178 ; C36.2@106.426,18.208 C36.2@106.396,18.178 ; R30.1@106.778,28.549 106.778,28.956 119.935,28.956 R22.2@120.062,28.829 ; 110.109,17.964 110.109,16.93 J2.4@110.162,16.877
  Bottom Layer w0.254: R17.2@118.665,19.939 R17.2@118.705,19.899
  Bottom Layer w0.8: R18.1@96.012,3.869 118.936,3.869 125.371,10.304 128.791,13.724 128.791,17.644 ; v4(99.569,83.239) 99.568,83.24 99.568,86.741 105.41,92.583 117.937,92.583 128.791,81.728 128.791,17.644 ; v2@107.959,11.167 113.125,11.167 115.925,13.967 115.925,17.644 ; J2.5@112.711,18.138 112.872,18.138 113.366,17.644 115.925,17.644 ; R19.2@118.745,16.002 118.745,17.644 ; R17.2@118.745,19.304 118.745,17.644 ; 123.952,18.034 R32.1@123.952,18.93 ; 124.714,17.907 124.451,17.644 118.745,17.644 ; 124.723,17.898 124.949,17.898 125.203,17.644 128.791,17.644 ; 115.925,17.644 118.745,17.644
  Bottom Layer w1: JP4.1@39.65,10.007 JP4.1@39.497,10.16 39.497,8.382 40.132,7.747 44.45,7.747 ; v4@44.577,50.213 44.577,40.64 37.211,33.274 MOTOR1.3@37.211,29.337 37.211,17.272 30.734,10.795 30.734,4.445 31.75,3.429 43.053,3.429 44.45,4.826 44.45,7.747 ; v6(52.69,57.928) 62.246,57.928 70.485,66.167 IMU1.1@74.295,66.167 76.454,68.326 87.614,68.326 88.503,67.437 JP6.1@88.9,67.437 89.416,67.437 89.816,67.837 90.166,67.837 90.655,68.326 96.012,68.326 99.568,71.882 v2(99.568,78.867) v2(99.568,79.756) ; JP5.1@54.229,10.16 54.229,8.382 53.594,7.747 44.45,7.747 ; v2(85.979,19.939) 85.979,15.828 85.746,15.595 85.746,13.107 R16.2@85.899,12.954 85.746,12.801 85.746,5.44 87.326,3.86 R18.1@96.003,3.86 ; R29.1@106.553,15.668 108.845,15.668 110.054,16.877 J2.4@110.162,16.877
  other v4: 44.575,50.178
+5V: C2.1 C3.2 C4.2 C5.1 C10.2 C40.2 C42.2 C45.2 D2.2 D4.2 D9.5 JP4.3 JP5.3 JP6.3 L1.2 L298.9 P1.2 POWER2.3 POWER2.4 Q2.2 R33.1 R34.1 SP1.1 U1.1 U3.16 U4.3 U4.8 UP1.4 UP2.3 US1.1 US2.1 US3.1 US4.1 | length 453.2
  Top Layer w0.3: U4.8@101.333,40.513 102.018,40.513 102.87,39.661 102.87,37.465 103.535,36.8 104.297,36.8 U3.16@104.394,36.703
  Top Layer w0.5: U4.3@96.393,37.973 94.725,37.973 92.964,39.734 C42.2@92.964,39.784 92.583,40.165 v4(92.583,41.91) 98.933,41.91 100.28,40.563 101.283,40.563 U4.8@101.333,40.513
  Top Layer w0.8: 98.292,70.225 98.309,70.242 108.447,70.242 v4(108.484,70.205)
  Top Layer w1: L298.9@25.527,47.498 32.009,47.498 v4(32.167,47.657) ; SP1.1@41.402,23.368 40.64,22.606 30.734,22.606 28.533,20.405 26.882,20.405 US1.1@26.797,20.32 US2.1@19.558,20.32 US3.1@12.192,20.32 US4.1@4.699,20.32 2.667,18.288 2.667,11.557 11.811,2.413 44.45,2.413 ; JP4.3@44.577,10.16 44.45,10.033 44.45,2.413 ; UP1.4@49.706,78.858 49.706,74.119 50.927,72.898 59.944,72.898 61.468,74.422 61.468,76.539 L1.2@62.357,77.428 ; v6(57.023,60.182) 64.373,60.182 69.1,64.909 69.1,76.95 67.373,78.676 ; JP5.3@59.309,10.16 59.309,3.302 58.42,2.413 44.45,2.413 ; C2.1@61.333,84.201 60.833,83.701 60.833,82.795 60.833,78.428 61.833,77.428 L1.2@62.23,77.428 ; UP2.3@80.659,84.157 80.751,84.249 UP2.3@81.28,84.249 ; UP2.3@80.717,85.377 UP2.3@80.786,85.307 ; UP2.3@80.786,84.676 UP2.3@80.786,85.307 ; UP2.3@80.786,85.446 UP2.3@80.786,85.307 ; UP2.3@81.28,84.582 UP2.3@81.28,85.446 ; v2(81.407,83.82) 82.55,84.963 ; C5.1@85.471,85.969 C5.1@85.471,85.846 ; C10.2@88.802,87.91 89.027,88.135 C10.2@89.027,88.185 ; JP6.3@88.9,62.357 89.053,62.51 90.577,62.51 98.292,70.225 ; U1.1@92.481,82.779 92.481,82.458 91.186,81.162 v2(91.186,81.153) 90.014,81.153 85.471,85.696 C5.1@85.471,85.846 ; v2(104.013,82.804) 106.475,82.804 107.061,82.218 107.061,80.907 107.315,80.653 POWER2.4@107.315,80.518 POWER2.3@109.855,80.518 D2.2@109.855,76.996 ; UP2.3@80.786,85.307 80.864,85.229 80.955,85.229 81.28,85.554 81.28,86.233 82.55,84.963 ; 82.55,84.963 83.233,85.646 85.271,85.646 C5.1@85.471,85.846
  Bottom Layer w0.8: Q2.2@93.726,38.608 93.732,38.602 Q2.2@93.758,38.602 ; Q2.2@93.777,38.557 Q2.2@93.777,38.583 ; Q2.2@93.815,38.544 Q2.2@93.777,38.583 ; C40.2@107.823,45.292 107.638,45.477 94.499,45.477 92.583,43.561 v4(92.583,41.91) 92.583,39.776 Q2.2@93.758,38.602 ; D9.5@116.546,29.21 118.815,29.21 ; Q2.2@93.758,38.602 Q2.2@93.777,38.583
  Bottom Layer w1: US4.1@4.508,20.129 US4.1@4.699,20.32 ; US1.1@26.797,20.32 26.797,28.829 35.56,37.592 35.56,56.896 37.846,59.182 P1.2@47.498,59.182 51.054,59.182 52.054,60.182 v6(57.023,60.182) ; v4@32.316,47.508 35.242,47.508 ; v2@73.533,84.455 75.946,82.042 81.407,82.042 ; v2(91.186,81.153) v2(91.948,81.153) 92.817,82.022 v2(93.466,82.022) 93.471,82.016 100.812,82.016 101.6,82.804 v2(104.013,82.804) v2(104.964,82.804) ; C40.2@107.823,45.292 107.997,45.466 112.968,45.466 115.724,48.222 122.282,48.222 ; v4(108.484,70.205) 108.615,70.336 109.877,70.336 ; POWER2.3@109.855,80.518 109.855,70.358 122.682,57.531 122.682,54.532 122.995,54.219 122.995,53.946 R34.1@123.206,53.735 ; 118.815,29.21 123.143,33.538 123.143,50.165 123.206,50.228 123.206,53.721 R34.1@123.206,53.735 ; R34.1@123.206,53.906 R34.1@123.206,53.735 ; R34.1@123.27,53.721 123.22,53.721 R34.1@123.206,53.735
  other v2: 80.518,82.55 81.407,82.55 80.518,83.185 81.407,83.185 72.517,84.455 73.406,84.455 72.644,85.238 73.533,85.238 72.644,85.979 73.533,85.979 72.644,86.614 73.533,86.614
+5V_USB: D10.2 DP1.2 Q2.3 | length 27.6
  Top Layer w0.8: v4(90.805,41.168) 90.805,43.053 92.329,44.577 DP1.2@96.606,44.577 ; v4(104.14,32.633) 104.21,32.703 104.21,34.013 D10.2@104.36,34.163
  Bottom Layer w0.8: v4(90.805,41.168) 90.805,39.913 Q2.3@91.273,39.445 ; Q2.3@91.44,39.56 91.484,39.516 91.484,39.233 92.711,38.006 92.711,37.978 93.045,37.644 93.074,37.644 98.085,32.633 v4(104.14,32.633)
BOOT0: MCU.94 R13.1 S2.1 | length 12.9
  Top Layer w0.15: R13.1@54.483,41.656 54.483,41.352 55.006,40.829 55.098,40.829 56.026,39.901 58.397,39.901 58.932,39.366 60.371,39.366 60.672,39.666 61.376,39.666 61.595,39.885 62.695,39.885 MCU.94@62.71,39.901
  Top Layer w0.2: R13.1@54.356,41.529 54.483,41.656 S2.1@54.483,44.831
BOOT1: MCU.37 R12.1 S2.2 | length 38.1
  Top Layer w0.2: R12.1@57.15,41.529 57.023,41.656 S2.2@57.023,44.831 57.023,49.403 58.558,50.938 62.784,50.938 63.342,50.38 63.342,49.613 64.008,48.947 64.008,43.561 65.374,42.195 71.532,42.195 72.771,43.434 74.676,43.434 75.709,42.401 MCU.37@77.81,42.401 ; R12.1@57.15,41.91 R12.1@57.531,41.529